# Altium PCB Main PCB.PcbDoc (part 3 of 3)
Units mil, origin at the board's own origin, x right, y up, seen from the top; angles counter-clockwise.
Board outline 3410.47 x 1250.53 mil, 4 copper layers (Top Layer, Ground, Power, Bottom Layer), stack 29.8 mil thick; 179 components, 158 nets, 771 pads, 445 vias.
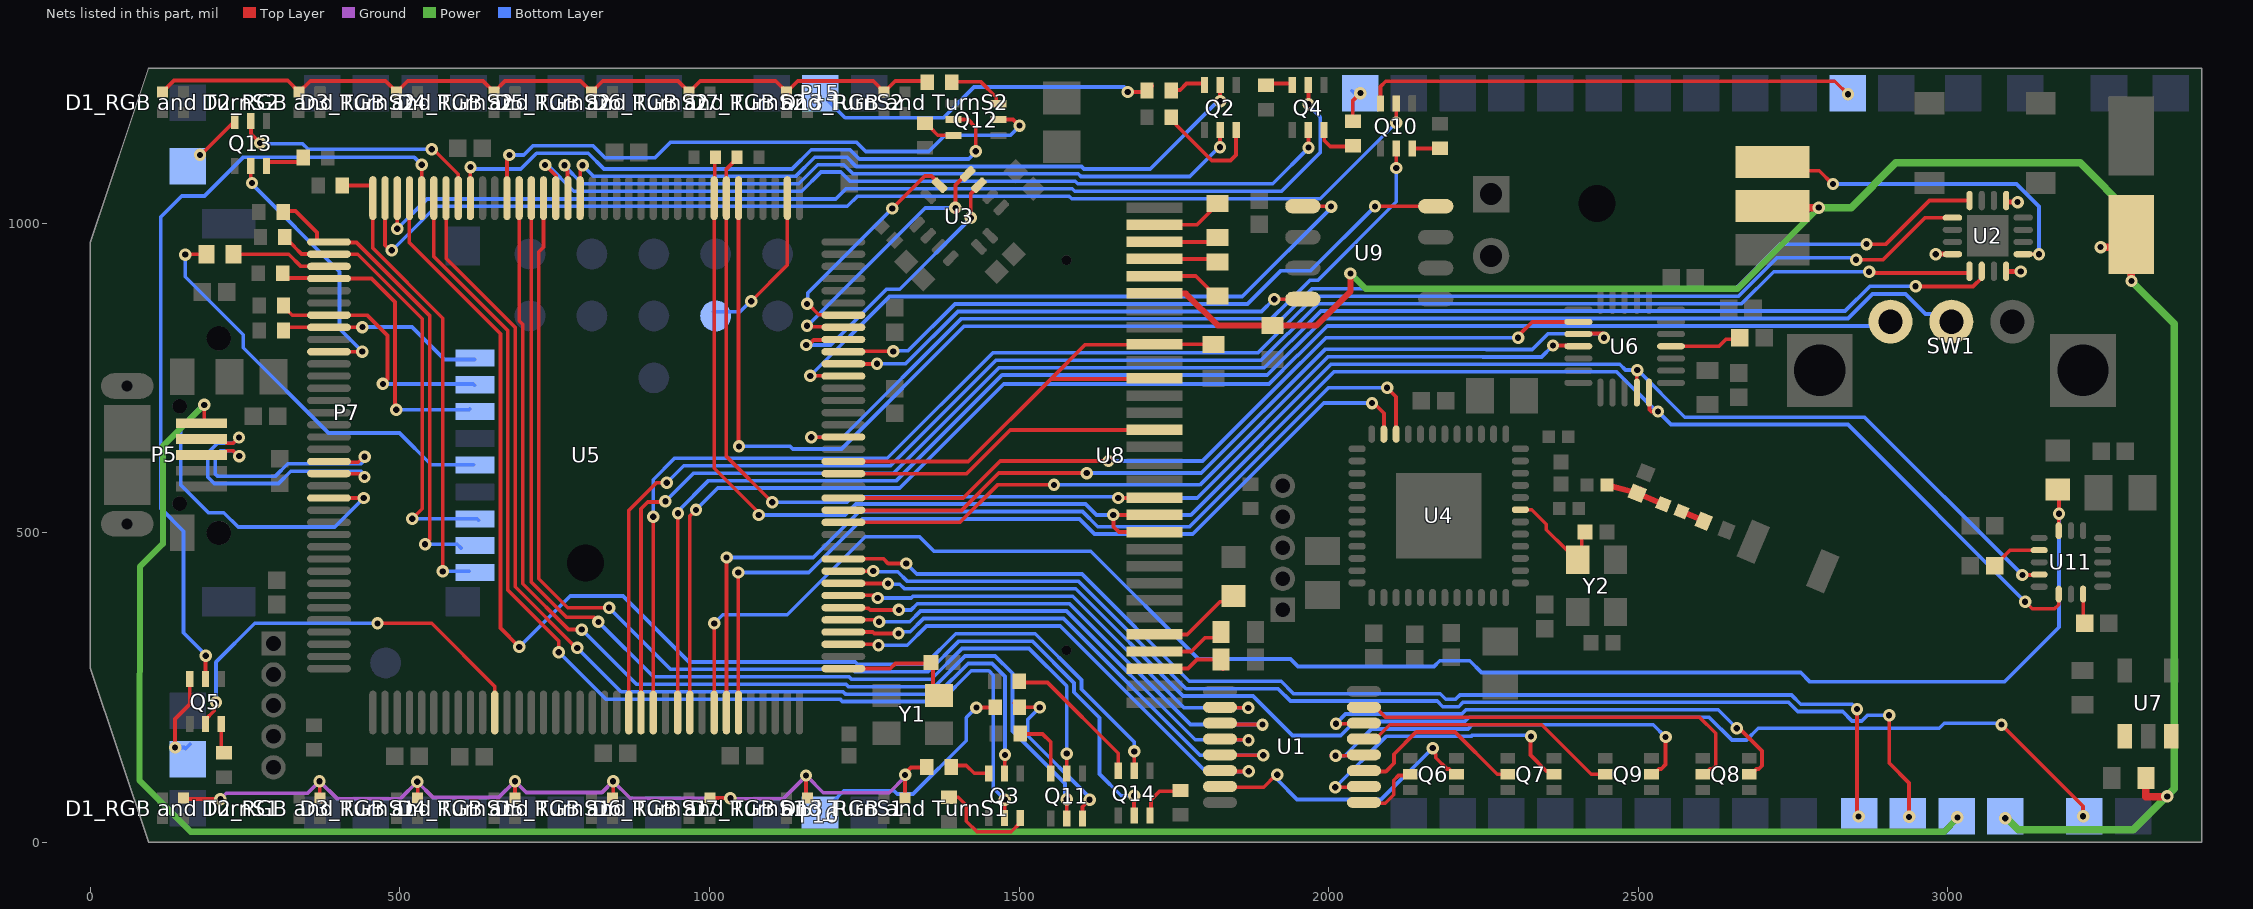
[diagram p5: the nets of this part, all layers, seen from the top]

## Via types
v1: diameter 20, hole 10, Top Layer to Bottom Layer, tented both sides, 442 vias
v2: diameter 20, hole 10, Top Layer to Bottom Layer, 3 vias

## Nets (pads, with @x,y where several pads share a name; then routed paths per layer and width w, separated by ;. In a path a pad name is that pad's centre, name@x,y a point inside that pad or via, vN(x,y) a via of type N, cw(c..) or ccw(c..) an arc to the next point about the centre after c; other vN are vias at no path point) (continued)
NetC8_2: C8.2 C10.1 L1.2 | length 101.5
  Top Layer w6: C8.2@2498,564 2496.23,564.48 2497.91,563.78 C8.2@2498.36,563.57
  Top Layer w8.2: C8.2@2503.3,567.2 C8.2@2503.3,570.6
  Top Layer w9.7: L1.2@2449.61,577.18 C8.2@2496.23,564.48 ; C8.2@2498.36,563.57 C10.1@2540.4,545.9
NetC10_2: C10.2 R4.1 | length 40.5
  Top Layer w6: R4.1@2604,519 2604.81,518.87 2605.8,518.7 2605.89,518.69 R4.1@2606.3,518.5
  Top Layer w9.7: C10.2@2569.6,534.1 R4.1@2605,520
NetC33_2: C33.2 U6.16 | length 120.7
  Top Layer w6: U6.16@2552.73,800.99 2630.11,800.99 2641.39,812.27 2662.19,812.27 2664.89,812.27 C33.2@2662.19,814.97
NetC37_1: C37.1 U8.3 | length 113.1
  Top Layer w6: U8.3@1718.43,969.48 1814.27,969.48 1824.76,979.97 C37.1@1824.76,982.42
NetC37_2: C37.2 U8.2 | length 113.3
  Top Layer w6: U8.2@1718.43,997.04 1787.2,997.04 1818.37,1028.21 C37.2@1818.8,1028.21
NetC38_1: C38.1 U8.5 | length 125.7
  Top Layer w6: U8.5@1718.43,914.37 1785.42,914.37 C38.1@1812.22,887.56 ; C38.1@1810.75,886.5 C38.1@1816.22,886.5 ; C38.1@1810.75,887.56 C38.1@1812.22,887.56 ; C38.1@1812.98,886.81 C38.1@1812.22,887.56 ; C38.1@1815.43,887.56 C38.1@1812.22,887.56 ; C38.1@1816.55,881.44 C38.1@1821.27,881.44 ; C38.1@1818.14,884.58 C38.1@1821.27,881.44 ; C38.1@1821.58,881.13 C38.1@1821.27,881.44
NetC38_2: C38.2 U8.4 | length 99.2
  Top Layer w6: U8.4@1718.43,941.92 1814.32,941.92 C38.2@1816.63,939.62
NetC41_2: C41.2 U8.27 | length 114.2
  Top Layer w6: U8.27@1718.43,308.07 1778.01,308.07 1800.24,330.29 C41.2@1823.45,330.29
NetC43_2: C43.2 U8.28 | length 114.9
  Top Layer w6: U8.28@1718.43,280.51 U8.28@1718.43,280.51 1772.71,280.57 1787.2,295.06 C43.2@1826.26,295.06 ; C43.2@1828.34,280.51 C43.2@1829.09,279.76
NetC51_2: C51.2 U11.8 | length 47.8
  Top Layer w6: U11.8@3218.25,400.79 3218.25,356.26 C51.2@3220.58,353.92
NetC52_2: C52.2 U11.2 | length 82.1
  Top Layer w6: C52.2@3075.53,446.86 3100.32,471.65 U11.2@3147.38,471.65
NetP7_1: P7.1 R7.1 U5.8 | length 330.2
  Top Layer w6: R7.1@309.93,826.66 R7.1@310.41,826.66 ; R7.1@312.82,831.56 U5.8@385.53,831.56 438.98,831.56 v1(439.38,831.96)
  Bottom Layer w6: v1(439.38,831.96) 519.73,831.96 572.14,779.54 P7.1@620.7,779.54
NetP7_2: P7.2 R10.1 U5.7 | length 413.3
  Top Layer w6: R10.1@315.58,862.26 315.58,861.56 326.1,851.04 385.33,851.04 U5.7@385.53,851.24 385.59,851.3 446.9,851.3 480,818.2 480,747.64 v1(472.56,740.19)
  Bottom Layer w6: v1(472.56,740.19) 618.39,740.19 P7.2@620.56,738.02
NetP7_3: P7.3 R8.1 U5.4 | length 495.3
  Top Layer w6: R8.1@310.52,918.95 310.52,918.13 317.4,911.25 384.58,911.25 U5.4@385.53,910.3 454.3,910.3 492,872.6 492,700.61 v1(494.12,698.49)
  Bottom Layer w6: v1(494.12,698.49) 611.63,698.49 P7.3@612.81,699.67
NetP7_5: P7.5 R13.2 | length 674.1
  Top Layer w6: v1(153.4,949.04) 154.03,949.67 R13.2@187.84,949.67
  Bottom Layer w6: v1(153.4,949.04) 153.4,913.32 247.21,819.52 247.21,798.55 384.83,660.92 499.53,660.92 550.82,609.63 P7.5@618.97,609.63
NetP7_7: P7.7 R11.1 U5.2 | length 717.6
  Top Layer w6: R11.1@310.19,976.16 315.25,976.16 329.32,962.09 329.32,961.67 341.1,949.89 385.31,949.89 U5.2@385.53,949.67 431.9,949.67 536,845.57 536,538.42 v1(520.1,522.52)
  Bottom Layer w6: v1(520.1,522.52) 624.62,522.52 P7.7@626.98,520.16
NetP7_8: P7.8 R9.1 U5.1 | length 751.4
  Top Layer w6: R9.1@315.25,1019.51 331.49,1019.51 366.22,984.78 366.22,973.88 361.69,969.35 U5.1@385.53,969.35 386.31,968.57 429.97,968.57 548,850.54 548,488.41 v1(540.77,481.18)
  Bottom Layer w6: v1(540.77,481.18) 592.63,481.18 598.65,475.17 P7.8@598.65,474.7
NetP7_9: P7.9 R12.1 U5.144 | length 761.4
  Top Layer w6: R12.1@407.24,1060.53 456.4,1060.53 U5.144@456.4,1040.22 456.4,959.11 569.11,846.39 v1(569.11,437.49)
  Bottom Layer w6: v1(569.11,437.49) P7.9@611.63,437.49
NetP17_1: P17.1 Q5.6 | length 148.1
  Top Layer w6: v1(136.96,153) 136.96,199.15 160.43,222.63 Q5.6@160.43,263.44
  Bottom Layer w6: v1(136.96,153) 151.96,153 153.96,151 P17.1@161.09,158.13
NetP21_1: P21.1 Q13.6 | length 78.8
  Top Layer w6: v1(177.22,1110) 178.48,1110 Q13.6@233.33,1164.85
NetQ2_2: Q2.2 U5.128 | length 1201.6
  Top Layer w6: v1(765.75,1093.29) 765.75,1089.5 770.6,1084.65 770.6,1040.98 U5.128@771.36,1040.22 ; v1(1824.31,1122.33) 1824.49,1122.5 Q2.2@1824.49,1154.7
  Bottom Layer w6: v1(765.75,1093.29) 765.75,1092.15 794.55,1063.35 1144.04,1063.35 1174.96,1094.28 1216.92,1094.28 1231.79,1079.41 1595.64,1079.41 1599.74,1075.31 1775.61,1075.31 1821.61,1121.31 v1@1826.72,1121.31
NetQ2_3: Q2.3 R16.1 | length 176.3
  Top Layer w6: R16.1@1748.8,1163.17 1749.91,1163.17 1753.57,1159.51 1753.57,1158.4 1811.01,1100.96 1841.24,1100.96 1850.08,1109.8 Q2.3@1850.08,1154.7
NetQ2_5: Q2.5 U5.127 | length 1192.9
  Top Layer w6: U5.127@791.04,1040.22 791.04,1088.89 v1@796.04,1093.88 ; Q2.5@1824.49,1227.15 1824.49,1196.77 v1(1824.69,1196.57)
  Bottom Layer w6: v1(795.01,1093.43) 813.09,1075.35 1139.07,1075.35 1169.99,1106.28 1221.9,1106.28 1236.76,1091.41 1600.61,1091.41 1604.71,1087.31 1711.58,1087.31 v1@1826,1201.72
NetQ2_6: Q2.6 R18.1 | length 57.8
  Top Layer w6: R18.1@1746.53,1214.99 1760.06,1214.99 1770.31,1225.24 Q2.6@1800.12,1225.24
NetQ3_2: Q3.2 U5.139 | length 1813.7
  Top Layer w6: U5.139@554.82,1040.22 554.65,1040.05 554.65,946.03 674.36,826.32 674.36,407.34 756.59,325.11 v1(756.59,306.94) ; Q3.2@1476.43,38.85 1476.85,39.27 v1(1476.85,68.92)
  Bottom Layer w6: v1(756.59,306.94) 756.73,306.94 832.49,231.18 1210.56,231.18 1214.5,227.24 1373.07,227.24 1422.66,276.84 1451.16,276.84 1458.16,269.84 1458.16,87.61 1476.63,69.15 v1@1476.63,69.04
NetQ3_3: Q3.3 R31.1 | length 167.1
  Top Layer w6: R31.1@1386.58,72.8 1401.86,72.8 1414.77,59.89 1414.77,33.93 1431.84,16.86 1487.12,16.86 1502.03,31.77 Q3.3@1502.03,38.85
NetQ3_5: Q3.5 U5.138 | length 1727.1
  Top Layer w6: U5.138@574.51,1040.22 574.9,1039.83 574.9,942.75 686.36,831.29 686.36,412.47 784.9,313.93 v1(786.51,313.93) ; Q3.5@1475.52,116.63 1476.8,117.91 1476.8,140.8 v1(1477.16,141.17) v1@1477.16,131.77
  Bottom Layer w6: v1(786.51,313.93) 857.26,243.18 1215.53,243.18 1219.47,239.24 1368.1,239.24 1417.69,288.84 1456.13,288.84 1477.16,267.81 v1(1477.16,141.17)
NetQ3_6: Q3.6 R32.1 | length 70.1
  Top Layer w6: R32.1@1385.96,123.99 1414.77,123.99 1427.47,111.29 Q3.6@1450.84,111.29
NetQ4_2: Q4.2 U5.142 | length 1740.8
  Top Layer w6: v1(495.72,990.86) U5.142@495.72,1048.15 ; U5.142@495.71,1048.17 495.71,1064.94 U5.142@496.48,1064.17 ; v1(1967.32,1191.94) Q4.2@1967.32,1225.37
  Bottom Layer w6: v1(495.72,990.86) 543.78,1038.92 1203.96,1038.92 1220.46,1055.41 1585.7,1055.41 1589.8,1051.31 1923.75,1051.31 1986.32,1113.88 1986.32,1171.02 v1@1965.05,1192.29
NetQ4_3: Q4.3 R20.1 | length 45.9
  Top Layer w6: R20.1@1897.05,1222.48 1899.94,1225.37 Q4.3@1941.73,1225.37
NetQ4_5: Q4.5 U5.129 | length 1400.7
  Top Layer w6: v1(734.58,1093.77) 751.98,1076.37 U5.129@751.98,1028.91 ; v1(1967.32,1121.75) Q4.5@1967.32,1152.92
  Bottom Layer w6: v1(734.58,1093.77) 738.4,1093.77 780.82,1051.35 1149.01,1051.35 1179.93,1082.28 1211.95,1082.28 1226.82,1067.41 1590.67,1067.41 1594.77,1063.31 1909.49,1063.31 v1@1969.11,1122.93
NetQ4_6: Q4.6 R22.1 | length 71.3
  Top Layer w6: Q4.6@1992.92,1152.92 1992.92,1133.11 2002.46,1123.56 R22.1@2040.48,1123.56
NetQ5_2: Q5.2 U5.47 | length 642.2
  Top Layer w6: Q5.2@186.02,197.03 186.02,198.09 200.32,212.39 200.32,223.29 v1(203,225.97) ; v1(463.76,353.5) 551.38,353.5 653.12,251.76 653.12,231.17 U5.47@654.92,229.37
  Bottom Layer w6: v1(203,225.97) 203,290.92 265.58,353.5 v1(463.76,353.5)
NetQ5_3: Q5.3 R33.1 | length 54.1
  Top Layer w6: Q5.3@211.61,191 211.61,139.21 R33.1@213.22,137.6
NetQ5_5: Q5.5 U5.140 | length 1308.5
  Top Layer w6: Q5.5@186.02,263.44 v1@186.02,300.9 ; v1(535.34,1094.08) 535.24,1093.98 535.24,1029.54 U5.140@536.38,1028.39
  Bottom Layer w6: v1(186.54,301.33) 186.54,302.22 150.41,338.35 150.41,502.42 114.03,538.79 114.03,1010.16 147.6,1043.73 184.31,1043.73 246.58,1106 523.41,1106 v1(535.34,1094.08)
NetQ6_2: Q6.2 U1.1 | length 102.7
  Top Layer w6: U1.1@2056.78,63.17 2091.2,63.17 2104.91,76.89 2104.91,100.2 2112.53,107.82 Q6.2@2127.28,107.82
NetQ6_5: Q6.5 U1.15 | length 466.9
  Top Layer w6: U1.15@1827.23,88.4 1827.86,89.03 1894.87,89.03 1894.94,88.96 1915.02,109.04 v1(1916.71,109.04) ; v1(2168,152) 2168,147 2172.68,142.32 2172.68,136.45 2190.83,118.3 2194.5,118.3 2202.82,109.98 Q6.5@2206.37,109.98
  Bottom Layer w6: v1(1916.71,109.04) 1916.71,101.29 1948.85,69.15 2084.58,69.15 2167.43,152 v1(2168,152)
NetQ7_2: Q7.2 U1.3 | length 275.3
  Top Layer w6: U1.3@2076.86,114.36 2092.25,114.36 2105.34,127.45 2105.34,142.15 2141.13,177.94 2204.07,177.94 2272.04,109.98 Q7.2@2289.04,109.98
NetQ7_5: Q7.5 U1.2 | length 479
  Top Layer w6: v1@2010.36,88.69 v1(2010.64,88.98) ; v1@2011.22,88.69 2011.4,88.87 2056.67,88.87 U1.2@2056.78,88.76 ; v1(2326.67,170.94) 2325.89,170.16 2325.89,140.71 2351.36,115.24 2358.58,115.24 Q7.5@2363.85,109.98
  Bottom Layer w6: v1(2010.64,88.98) 2092.67,171 2229.72,171 2231.72,173 2324.62,173 v1(2326.67,170.94)
NetQ8_2: Q8.2 U1.7 | length 665
  Top Layer w6: U1.7@2055.55,216.72 2076.74,216.72 2091.52,201.94 2598.93,201.94 2624.82,176.05 2624.82,123.57 2619.54,118.3 2615.87,118.3 2607.55,109.98 Q8.2@2604.01,109.98
NetQ8_5: Q8.5 U1.6 | length 819.7
  Top Layer w6: v1@2014.04,190.67 2014.66,191.29 2056.62,191.29 U1.6@2056.78,191.13 ; v1@2658,185 2661.68,181.32 2665.86,181.32 2699.62,147.56 2699.62,123.57 2694.35,118.3 2690.67,118.3 2682.35,109.98 Q8.5@2678.81,109.98
  Bottom Layer w6: v1(2011.65,191.45) 2027.21,207 2214.81,207 2221.75,213.94 2629.06,213.94 v1(2659,184)
NetQ9_2: Q9.2 U1.5 | length 429.9
  Top Layer w6: U1.5@2059.86,165.54 2074.22,165.54 2098.62,189.94 2344.07,189.94 2424.04,109.98 Q9.2@2446.52,109.98
NetQ9_5: Q9.5 U1.4 | length 688.5
  Top Layer w6: v1@2004.02,139.95 2004.18,139.78 v1(2011.08,139.78) ; v1@2011.22,140.35 2011.71,139.86 2056.7,139.86 U1.4@2056.78,139.95 ; Q9.5@2521.33,109.98 2524.87,109.98 2533.19,118.3 2536.87,118.3 2544,125.43 v1(2544,170)
  Bottom Layer w6: v1(2011.08,139.78) 2025.78,139.78 2069,183 2224.75,183 2231.69,189.94 2524.06,189.94 v1(2544,170)
NetQ10_2: Q10.2 U5.92 | length 1246
  Top Layer w6: v1(1164.18,654.13) 1218.7,654.13 1218.96,654.39 U5.92@1216.24,654.39 ; v1(2109.14,1088.8) Q10.2@2109.14,1120.34
  Bottom Layer w6: v1(1164.18,654.13) 1215.07,654.13 1406.17,845.23 1906.73,845.23 1919.49,857.99 1920,857.99 1969.39,907.38 1982.1,907.38 2109.14,1034.42 v1(2109.14,1088.8)
NetQ10_3: Q10.3 R21.1 | length 42.9
  Top Layer w6: Q10.3@2134.73,1120.34 R21.1@2177.57,1120.34
NetQ10_5: Q10.5 U5.143 | length 1851.7
  Top Layer w6: U5.143@476.11,1058.56 U5.143@476.71,1057.97 ; U5.143@477.12,1057.56 U5.143@476.71,1057.97 ; v1(486.85,956.11) 483.74,956.11 475.84,964.01 475.84,1054.88 476.71,1055.75 U5.143@476.71,1057.97 ; v1(2108.86,1161.88) 2109.14,1162.15 Q10.5@2109.14,1192.78
  Bottom Layer w6: v1(486.85,956.11) 487.84,956.11 558.65,1026.92 1222.54,1026.92 1239.03,1043.41 1580.73,1043.41 1584.83,1039.31 1986.3,1039.31 v1(2108.86,1161.88)
NetQ11_2: Q11.2 U5.132 | length 1785.6
  Top Layer w6: U5.132@692.62,1040.22 692.62,842 698.36,836.26 698.36,417.44 772.34,343.46 v1(793.75,343.46) ; Q11.2@1576.88,38.65 v1(1576.88,69.55)
  Bottom Layer w6: v1(793.75,343.46) 882.03,255.18 1220.5,255.18 1224.44,251.24 1363.13,251.24 1412.72,300.84 1461.1,300.84 1489.16,272.78 1489.16,179.84 1574,95 1574,74.63 v1@1577.12,71.51
NetQ11_3: Q11.3 R25.1 | length 277.1
  Top Layer w6: R25.1@1492.61,225.01 1499.79,217.82 v1(1533.46,217.82) ; Q11.3@1602.47,38.65 1602.47,57.24 v1(1613.85,68.62)
  Bottom Layer w6: v1(1533.46,217.82) 1514,198.36 1514,171.97 1613.85,72.12 v1(1613.85,68.62)
NetQ11_5: Q11.5 U5.131 | length 1734.6
  Top Layer w6: U5.131@712.3,1040.22 712.3,420.47 769.59,363.18 813.33,363.18 v1(820.62,355.9) ; v1@1576.83,141.59 Q11.5@1576.88,111.09 Q11.5@1576.88,111.09
  Bottom Layer w6: v1(820.62,355.9) 909.34,267.18 1225.47,267.18 1229.41,263.24 1358.16,263.24 1407.75,312.84 1516.09,312.84 1576.78,252.15 v1(1576.78,143.14)
NetQ11_6: Q11.6 R27.1 | length 116.9
  Top Layer w6: R27.1@1499.94,168.78 R27.1@1505.17,174.01 ; R27.1@1500.14,174.13 R27.1@1505.17,174.13 ; R27.1@1505.88,174.8 1537.91,174.8 1550.9,161.81 Q11.6@1550.9,107.73
NetQ12_2: Q12.2 U5.136 | length 988.1
  Top Layer w6: U5.136@613.47,1047.75 613.67,1047.96 613.67,1087.72 613.95,1087.99 v1(613.95,1090.37) ; Q12.2@1394.19,1167.05 1417.33,1167.05 1430.09,1154.29 v1(1430.09,1115.99)
  Bottom Layer w6: v1(613.95,1090.37) 613.95,1087.86 613.59,1087.51 616.15,1084.95 v1@616.15,1087.86 ; v1@616.15,1092.87 621.79,1087.23 695.26,1087.23 720.8,1112.77 804.12,1112.77 829.54,1087.35 1133.25,1087.35 1164.18,1118.28 1226.87,1118.28 1241.7,1103.44 1418.52,1103.44 v1@1426.67,1111.59
NetQ12_3: Q12.3 R28.1 | length 41.6
  Top Layer w6: R28.1@1343.98,1163.12 R28.1@1345.84,1163.12 ; R28.1@1347.44,1164.22 R28.1@1348.21,1164.99 ; R28.1@1353.87,1156.65 1354.39,1156.65 1358,1153.04 1358,1152.52 1368.73,1141.8 Q12.3@1386.03,1141.8
NetQ12_5: Q12.5 U5.133 | length 980.8
  Top Layer w6: U5.133@672.93,1040.22 672.93,1106.28 676.45,1109.8 v1(676.91,1109.8) ; Q12.5@1466.63,1167.05 1490.15,1167.05 1500.57,1156.62 v1@1503.19,1156.62
  Bottom Layer w6: v1(676.91,1109.8) 699.96,1109.8 714.94,1124.77 811.7,1124.77 831.19,1105.28 912.03,1105.28 937.02,1130.28 1237.36,1130.28 1252.19,1115.44 1354.05,1115.44 1380.32,1141.71 1485.97,1141.71 1496.26,1152 v1@1499.46,1152
  other v1: 1500.66,1157.38
NetQ12_6: Q12.6 R29.1 | length 111.9
  Top Layer w6: R29.1@1398.39,1223.63 1398.39,1220.56 1396.85,1222.1 1390.6,1228.35 1437.82,1228.35 1463.21,1202.96 1463.21,1192.64 Q12.6@1463.21,1191.56 ; Q12.6@1466.06,1189.32 1466.06,1191.56 Q12.6@1466.06,1192.64
NetQ13_2: Q13.2 U5.10 | length 413.6
  Top Layer w6: Q13.2@259.48,1086.87 259.09,1086.48 259.09,1064.87 259.27,1064.69 v1(261.14,1064.69) ; U5.10@396.48,792.93 397.13,792.28 439.26,792.28 v1(439.36,792.38)
  Bottom Layer w6: v1(261.14,1064.69) 261.14,1062.82 402.56,921.4 402.56,829.18 v1(439.36,792.38)
NetQ13_3: Q13.3 R30.1 | length 68.5
  Top Layer w6: Q13.3@284.51,1092.41 284.51,1095.53 287.41,1098.44 R30.1@348.65,1098.44
NetQ13_5: Q13.5 U5.137 | length 414.9
  Top Layer w6: Q13.5@259.5,1158.62 259.5,1144.04 v1(274.33,1129.21) ; v1(551.31,1119.04) 553.93,1119.04 594.19,1078.78 U5.137@594.19,1040.22
  Bottom Layer w6: v1(274.33,1129.21) 275.53,1128.01 342.9,1128.01 351.87,1119.04 v1(551.31,1119.04)
NetQ14_2: Q14.2 U5.141 | length 2019.6
  Top Layer w6: U5.141@515.45,1040.22 515.16,1039.93 515.16,968.55 662.36,821.35 662.36,346.04 v1(692.9,315.5) ; Q14.2@1685.89,115.46 1685.89,146.69 v1(1685.94,146.75)
  Bottom Layer w6: v1(692.9,315.5) 775.1,397.7 860.44,397.7 966.96,291.18 1235.41,291.18 1239.35,287.24 1348.21,287.24 1397.81,336.84 1526.03,336.84 1600.78,262.09 1600.78,247.19 1685.94,162.03 v1(1685.94,146.75)
NetQ14_3: Q14.3 R23.1 | length 245.8
  Top Layer w6: R23.1@1494.02,268.05 1504.22,257.84 1545.73,257.84 1659.92,143.66 1659.92,115.84 Q14.3@1660.3,115.46
NetQ14_5: Q14.5 U5.130 | length 1862.4
  Top Layer w6: U5.130@731.99,1040.22 731.99,960.89 724.3,953.2 724.3,425.44 771.04,378.7 v1(837.8,378.7) ; v1(1685.65,74.96) 1685.65,43.26 Q14.5@1685.89,43.02
  Bottom Layer w6: v1(837.8,378.7) 937.32,279.18 1230.44,279.18 1234.38,275.24 1353.18,275.24 1402.78,324.84 1521.06,324.84 1588.78,257.12 1588.78,242.22 1629.85,201.15 1629.85,110.24 1664.87,75.22 v1@1688.52,75.22
NetQ14_6: Q14.6 R24.1 | length 79.5
  Top Layer w6: Q14.6@1711.48,43.02 1712.88,44.42 1712.88,68.77 1726.59,82.47 R24.1@1760.34,82.47
NetR13_1: R13.1 U5.3 | length 162.5
  Top Layer w6: R13.1@231.15,949.67 320.41,949.67 340.1,929.98 U5.3@385.53,929.98
NetR14_2: R14.2 U8.26 | length 148.5
  Top Layer w6: U8.26@1718.43,335.63 1771.34,335.63 1824.24,388.52 1833.8,388.52 R14.2@1833.8,387.6 ; R14.2@1843.31,405.13 1843.31,400.18 R14.2@1848.66,400.18
NetSW1_1: SW1.1 U5.63 | length 2386.3
  Top Layer w6: U5.63@968.21,209.51 968.21,526.8 v1(978.21,536.8)
  Bottom Layer w6: v1(978.21,536.8) 1013.41,572 1307.1,572 1475.29,740.19 1903.51,740.19 1949.32,785.99 1949.82,785.99 1997.61,833.78 2900.12,833.78 SW1.1@2907.18,840.85
NetSW1_2: SW1.2 U5.62 | length 2551.1
  Top Layer w6: U5.62@948.52,209.51 948.73,209.72 948.73,266.48 ; 948.73,266.64 v1@948.73,537.93
  Bottom Layer w6: v1(949.21,531.2) 949.21,534.67 998.54,584 1302.13,584 1472.53,754.41 1900.76,754.41 1944.34,797.99 1944.85,797.99 1992.64,845.78 2838.75,845.78 2878.25,885.28 2931.6,885.28 2963.62,853.26 2993.2,853.26 SW1.2@3005.1,841.36
NetU1_10: U1.10 U5.79 | length 743.8
  Top Layer w6: U5.79@1240.57,399.18 1240.73,399.01 1266.99,399.01 v1(1271.59,394.41) ; U1.10@1833.2,217.1 1833.26,217.04 v1(1869.88,217.04)
  Bottom Layer w6: v1(1271.59,394.41) 1325.87,394.41 1328.75,397.29 1586.48,397.29 1766.73,217.04 v1(1869.88,217.04)
NetU1_11: U1.11 U5.78 | length 829.2
  Top Layer w6: U5.78@1216.24,378.8 1217.35,377.69 1256.96,377.69 1259.41,375.24 ; 1259.47,375.18 1259.41,375.24 ; v1@1302.38,375.41 1302.22,375.24 1259.41,375.24 ; U1.11@1824.5,191.13 1825.55,190.07 v1(1893.12,190.07)
  Bottom Layer w6: v1(1305.78,375.24) 1325.5,375.24 1335.55,385.29 1581.5,385.29 1776.72,190.07 v1(1893.12,190.07)
NetU1_12: U1.12 U5.77 | length 794.5
  Top Layer w6: U5.77@1216.24,359.12 v1@1273.84,359.12 ; U1.12@1824.5,165.54 1869.63,165.54 v1(1870.46,164.71)
  Bottom Layer w6: v1(1273.84,356.24) 1323.47,356.24 1340.52,373.29 1576.53,373.29 1784.37,165.45 v1@1871.25,165.45
NetU1_13: U1.13 U5.76 | length 851
  Top Layer w6: U5.76@1216.24,339.43 1263.78,339.43 1265.97,337.24 1302.99,337.24 v1@1305.18,339.43 ; U1.13@1824.5,139.95 1825.17,140.62 v1(1894.13,140.62)
  Bottom Layer w6: v1(1305.18,337.24) 1307.86,339.92 1324.12,339.92 1345.49,361.29 1571.56,361.29 1792.24,140.62 v1(1894.13,140.62)
NetU1_14: U1.14 U5.75 | length 811.4
  Top Layer w6: U5.75@1216.24,319.75 v1@1272.85,319.75 ; U1.14@1824.5,114.36 1870.57,114.36 v1(1870.75,114.53)
  Bottom Layer w6: v1(1272.85,318.24) 1319.41,318.24 1350.46,349.29 1566.25,349.29 1801.75,113.79 1869.5,113.79 v1@1870.5,114.79
NetU2_1: U2.1 U5.58 | length 2646.7
  Top Layer w6: U5.58@870.54,219.25 869.78,220 869.78,535.99 914.26,580.47 v1(930.93,580.47) ; v1(2872.71,921.48) 2874.78,919.41 3033.06,919.41 3034.83,921.18 U2.1@3034.83,922.09 ; U2.1@3033.14,919.42 U2.1@3034.86,921.14
  Bottom Layer w6: v1(930.93,580.47) 958.46,608 1292.18,608 1462.59,778.41 1890.82,778.41 1934.4,821.99 1934.91,821.99 1982.7,869.78 2666.78,869.78 2718.47,921.48 v1(2872.71,921.48)
NetU2_2: U2.2 U5.59 | length 2663.9
  Top Layer w6: U5.59@889.47,209.51 889.47,538.7 900.26,549.5 911.61,549.5 911.68,549.57 922.08,549.57 v1@924.43,547.22 ; v1@922.48,546.89 924.84,546.89 v1(928.78,550.84) ; v1(2947.7,897.94) 2948.31,897.34 3040.6,897.34 3054.52,911.26 U2.2@3054.52,922.09
  Bottom Layer w6: v1(928.78,550.84) 973.95,596 1297.15,596 1467.56,766.41 1895.79,766.41 1939.37,809.99 1939.88,809.99 1987.67,857.78 2833.78,857.78 2873.94,897.94 v1(2947.7,897.94)
NetU2_12: U2.12 U5.114 | length 2555.6
  Top Layer w6: U5.114@1046.95,1040.22 1046.71,1039.98 1046.71,640.64 v1@1047.31,640.04 ; v1(2868.4,965.93) 2899.84,965.93 2970.17,1036.26 U2.12@3034.83,1036.26
  Bottom Layer w6: v1(1047.67,639.36) 1130.14,639.36 1134.36,635.13 1213.05,635.13 1411.14,833.23 1911.7,833.23 1924.46,845.99 1924.97,845.99 1972.76,893.78 2656.84,893.78 2728.99,965.93 v1(2868.4,965.93)
NetU2_13: U2.13 U5.60 | length 2652.3
  Top Layer w6: U5.60@909.15,209.51 v1(909.13,525.72) ; v1(2851.71,940.59) 2894.95,940.59 2963.06,1008.7 U2.13@3007.28,1008.7
  Bottom Layer w6: v1(909.13,525.72) 909.13,585.54 943.59,620 1287.21,620 1457.62,790.41 1885.85,790.41 1929.43,833.99 1929.94,833.99 1977.73,881.78 2661.81,881.78 2724.03,944 2848.3,944 v1(2851.71,940.59)
NetU3_3: U3.3 U5.100 | length 455.6
  Top Layer w6: v1(1156.36,803.09) 1160.15,803.09 1168.11,811.05 1199.08,811.05 U5.100@1200.52,812.49 ; v1(1422.11,1008.26) 1422.11,1047.68 1432.8,1058.37 U3.3@1435.12,1058.37
  Bottom Layer w6: v1(1156.36,803.09) 1195.68,803.09 1285.81,893.23 1307.08,893.23 v1(1422.11,1008.26)
NetU3_4: U3.4 U5.101 | length 427.8
  Top Layer w6: v1(1157.38,834.16) 1158.88,832.67 1199.35,832.67 U5.101@1199.7,832.32 ; v1(1397.13,1024.41) 1397.13,1061.39 U3.4@1417.79,1082.04
  Bottom Layer w6: v1(1157.38,834.16) 1158.2,834.16 1348.45,1024.41 v1(1397.13,1024.41)
NetU3_5: U3.5 U5.102 | length 355.8
  Top Layer w6: v1(1157.54,869.46) 1158.85,869.46 1176.57,851.74 1195.82,851.74 U5.102@1196.02,851.54 ; v1(1295.01,1023.49) 1347.5,1075.98 1358.33,1075.98 U3.5@1368.12,1066.19
  Bottom Layer w6: v1(1157.54,869.46) 1158.62,870.54 1158.62,887.1 v1(1295.01,1023.49)
NetU4_46: U4.46 U5.66 | length 1508.2
  Top Layer w6: U5.66@1027.51,233.13 1027.45,233.19 1027.45,459.71 v1(1027.63,459.89) ; v1(2094.3,733.89) 2108.76,719.43 U4.46@2108.76,659.05
  Bottom Layer w6: v1(1027.63,459.89) 1167.4,459.89 1241.67,534.16 1602.34,534.16 1626.84,509.66 1775.31,509.66 1999.54,733.89 v1(2094.3,733.89)
NetU4_47: U4.47 U5.67 | length 1426.9
  Top Layer w6: U5.67@1044.71,228.28 1047.06,230.62 1046.66,231.03 1045.84,231.88 1047.67,233.71 1046.54,234.84 v1(1046.54,435.73) ; v1(2069.94,709.27) 2072.71,709.27 2089.07,692.91 U4.47@2089.07,659.05
  Bottom Layer w6: v1(1046.54,435.73) 1160.2,435.73 1246.64,522.16 1597.37,522.16 1621.87,497.66 1780.29,497.66 1991.89,709.27 v1(2069.94,709.27)
NetU5_85: U5.85 U6.4 | length 1330.2
  Top Layer w6: U5.85@1190.51,516.81 1404.64,516.81 1464.98,577.16 v1(1556.39,577.16) ; v1(2362.1,802.21) 2402,802.21 U6.4@2403.47,800.74
  Bottom Layer w6: v1(1556.39,577.16) 1791.9,577.16 1998.72,783.98 2249.06,783.98 2249.26,783.78 2343.68,783.78 v1@2360.87,800.97
NetU5_86: U5.86 U6.3 | length 1363.5
  Top Layer w6: U5.86@1241.42,535.93 1406.78,535.93 1467.05,596.19 v1(1609.22,596.19) ; U6.3@2403.12,820.67 2403.86,821.41 2424.29,821.41 2424.49,821.6 v1@2442.13,821.6
  Bottom Layer w6: v1(1609.22,596.19) 1793.96,596.19 1993.75,795.98 2254.03,795.98 2254.23,795.78 2328.81,795.78 2354.23,821.21 2438.15,821.21 v1(2444.57,814.78)
NetU5_87: U5.87 U6.2 | length 1328
  Top Layer w6: U5.87@1193.8,556.28 1194.12,555.97 U5.87@1216.24,555.97 1409.85,555.97 1469.59,615.71 v1(1644.35,615.71) ; v1(2305.8,814.78) 2305.8,817.53 2317.86,829.59 2317.98,829.59 2328.65,840.26 U6.2@2396.76,840.26
  Bottom Layer w6: v1(1644.35,615.71) 1796,615.71 1954.29,773.99 1954.79,773.99 1995.58,814.78 v1(2305.8,814.78) 2310.44,814.78 v1@2311.07,814.16
NetU5_89: U5.89 U8.14 | length 515.3
  Top Layer w6: U5.89@1216.24,595.34 1415.28,595.34 1485.6,665.66 U8.14@1702.37,665.66
NetU5_97: U5.97 U9.1 | length 1062.5
  Top Layer w6: v1(1162.77,753.21) U5.97@1222.75,753.21 ; U9.1@1958.22,1027.28 2003,1027.28 v1(2003.83,1026.46)
  Bottom Layer w6: v1(1162.77,753.21) 1290.78,881.23 1860.49,881.23 v1@2006.06,1026.8
NetU5_98: U5.98 U9.4 | length 778.3
  Top Layer w6: U5.98@1216.24,772.5 1270.24,772.5 v1(1270.5,772.76) ; v1(1912.13,876.99) 1912.27,877.14 1950.53,877.14 U9.4@1951.01,876.66
  Bottom Layer w6: v1(1270.5,772.76) 1316.73,772.76 1401.2,857.23 1891.53,857.23 1911.29,876.99 v1(1912.13,876.99)
NetU5_99: U5.99 U9.8 | length 1044.7
  Top Layer w6: U5.99@1216.24,792.19 1215.71,792.72 v1(1296.6,792.72) ; v1(2074.74,1026.9) 2157.66,1026.9 U9.8@2157.74,1026.81
  Bottom Layer w6: v1(1296.6,792.72) 1294.18,792.72 1295.39,793.93 1320.93,793.93 1396.23,869.23 1868.98,869.23 1922.88,923.12 1970.97,923.12 v1(2074.74,1026.9)
OLED_3V3: C40.2 U5.90 U8.9 U8.11 | length 842.9
  Top Layer w6: U5.90@1216.24,615.02 1417.99,615.02 1551.29,748.31 1606.52,803.55 U8.9@1719.61,803.55 ; 1551.6,748 1717.42,748 U8.11@1718.43,749.01 ; U8.9@1718.43,804.13 C40.2@1812.62,804.13
RED1: P15.2 R18.2 | length 562.7
  Top Layer w6: v1(1675.49,1211.63) 1704.79,1211.63 R18.2@1714.52,1221.36
  Bottom Layer w6: P15.2@1191.76,1197.06 1192.08,1197.06 1219.01,1170.13 1377.72,1170.13 1427.1,1219.5 1669.25,1219.5 v1@1676.73,1212.03
RED2: P16.2 R25.2 | length 346.6
  Top Layer w6: v1(1430.98,217.53) 1453.43,217.53 R25.2@1456.14,220.24
  Bottom Layer w6: P16.2@1199.79,65.91 1216.94,83.07 1297.73,83.07 1303.01,77.8 1328.69,77.8 1414.71,163.83 1414.71,201.26 v1(1430.98,217.53)
RED3: "D1_RGB and TurnS2.2" "D2_RGB and TurnS2.2" "D3_RGB and TurnS2.2" "D4_RGB and TurnS2.2" "D5_RGB and TurnS2.2" "D6_RGB and TurnS2.2" "D7_RGB and TurnS2.2" "D13_RGB and TurnS2.2" R29.2 | length 1351.3
  Top Layer w6: 116.8,1211.61 135.3,1230.11 318.77,1230.11 337.27,1211.61 355.13,1229.46 476.89,1229.46 494.75,1211.61 512.61,1229.46 634.38,1229.46 652.23,1211.61 652.23,1212.14 669.55,1229.46 791.86,1229.46 809.71,1211.61 827.57,1229.46 949.34,1229.46 967.19,1211.61 985.05,1229.46 1106.82,1229.46 1124.67,1211.61 1142.53,1229.46 1264.3,1229.46 1282.15,1211.61 1300.01,1229.46 1348.44,1229.46 R29.2@1353.97,1234.99
RED4: "D1_RGB and TurnS1.2" "D2_RGB and TurnS1.2" "D3_RGB and TurnS1.2" "D4_RGB and TurnS1.2" "D5_RGB and TurnS1.2" "D6_RGB and TurnS1.2" "D7_RGB and TurnS1.2" "D13_RGB and TurnS1.2" R32.2 | length 1544.7
  Top Layer w6: 150.26,71.61 150.26,69.71 v1(210.19,69.71) ; v1(370.12,98.67) 370.74,98.05 370.74,71.61 ; v1(528.14,97.6) 528.64,97.1 528.64,72.03 528.22,71.61 ; 685.7,71.61 685.88,71.8 v1(685.88,98.66) ; 843.18,71.61 844.02,72.45 843.44,73.04 844.36,73.97 v1(844.36,98.62) ; 1000.66,71.61 1025.95,71.61 1026.56,71 v1(1033.76,71) ; v1(1155.83,107.8) 1155.68,107.64 1155.68,74.07 1158.14,71.61 ; v1@1315.55,111.23 1325.19,120.88 1348.25,120.88 R32.2@1349.35,121.98 ; 1315.62,71.61 1315.69,71.68 1315.69,96.08 ; 1315.72,96.08 1315.72,98.53
  Ground w6: v1(210.19,69.71) 219.71,79.23 350.67,79.23 v1(370.12,98.67) 398.3,70.49 501.02,70.49 v1(528.14,97.6) 553.52,72.22 659.44,72.22 v1(685.88,98.66) 704.09,80.46 826.2,80.46 v1(844.36,98.62) 871.98,71 v1@1029.03,71 ; v1(1033.76,71) v1@1029.03,71 ; v1(1155.83,107.8) 1155.98,107.8 v1@1157.77,106.01 ; v1@1160.71,106.01 v1@1157.77,106.01 ; v1(1315.85,108.8) 1315.85,105.7 1290.25,80.11 1183.67,80.11 v1@1157.77,106.01 ; v1@1029.03,71 1029.55,70.49 1119.6,70.49 1155.13,106.01 v1@1157.77,106.01
RED5: P26.1 R22.2 | length 66
  Top Layer w6: R22.2@2039.15,1164.27 2038.98,1164.44 2038.98,1197.79 v1(2051.06,1209.87)
  Bottom Layer w6: P26.1@2037.36,1213.7 2041.19,1209.87 v1(2051.06,1209.87)
REV_LIGHT: P28.1 Q10.6 | length 795.1
  Top Layer w6: Q10.6@2083.55,1192.78 2083.55,1220.5 2092.18,1229.14 2817.27,1229.14 v1(2838.55,1207.85)
RST: R3.1 U5.65 U11.16 | length 2770.1
  Top Layer w6: U5.65@1007.58,209.51 1007.58,353.86 1007.66,353.78 v1(1007.66,353.5) ; R3.1@3177.53,569.59 3179.3,567.82 v1(3179.3,530.64) ; v1@3178.6,534.84 3178.81,534.64 3178.81,503.22 U11.16@3178.88,503.15
  Bottom Layer w6: v1(1007.66,353.5) 1021.47,367.3 1125.72,367.3 1251.67,493.25 1339.31,493.25 1362.56,470 1615.59,470 1789.56,296.03 1938.12,296.03 1950.16,284 2170.19,284 2179.19,293 2227.55,293 2246.55,274 2762.16,274 2777.16,259 3090.97,259 3179.3,347.33 v1(3179.3,530.64)
SCL: R17.1 U5.115 U6.11 U8.18 U11.4 | length 2965.9
  Top Layer w6: R17.1@1042.09,1101.18 1041.19,1101.18 1027.26,1087.26 U5.115@1027.26,1040.22 1027.26,623.06 v1(1101.3,549.03) ; v1(1660.23,555.99) 1660.35,556.1 U8.18@1718.43,556.1 ; U6.11@2497.61,726.18 v1@2497.61,763.51 ; v1(3120.2,431.61) 3140.29,431.61 3140.96,432.28 U11.4@3147.38,432.28
  Bottom Layer w6: v1(1101.3,549.03) 1222.59,549.03 1231.73,558.16 1658.06,558.16 v1(1660.23,555.99) 1787.7,555.99 2003.69,771.98 2244.09,771.98 2244.29,771.78 2469.89,771.78 2479.16,762.51 v1(2498.25,762.51) ; v1@2498.94,762.65 2575.09,686.5 2865.32,686.5 v1(3120.2,431.61)
SCLK: TP1.1 U5.110 | length 258.4
  Top Layer w6: v1(1067.38,873.8) 1125.69,932.1 U5.110@1125.69,1040.22
  Bottom Layer w6: TP1.1@1006.58,856.73 1049.3,856.73 1066.37,873.8 v1(1067.38,873.8)
SDA: R19.1 U5.116 U6.12 U8.19 U8.20 U11.6 | length 3180.5
  Top Layer w6: R19.1@1009.48,1104.32 1008.69,1103.54 1008.69,1041.33 U5.116@1007.58,1040.22 1007.58,604.14 1079.55,532.17 v1(1079.55,528.55) ; R19.1@1010.05,1106.2 R19.1@1011.95,1108.1 ; v1(1652.12,528.66) 1652.53,528.25 1652.53,509.66 1661.22,500.98 U8.20@1718.43,500.98 U8.20@1716.86,499.41 ; v1@1661.22,528.54 U8.19@1718.43,528.54 ; U6.12@2517.17,718.29 2518.03,717.42 2518.03,698.39 2520.85,695.56 v1(2531.65,695.56) ; v1(3124.56,388.54) 3136.18,376.92 3172.22,376.92 3178.88,383.58 U11.6@3178.88,400.79
  Bottom Layer w6: v1(1079.55,528.55) 1219.08,528.55 1236.7,546.16 1607.31,546.16 1624.81,528.66 v1(1652.12,528.66) 1777.34,528.66 2008.66,759.98 2236.44,759.98 2236.64,759.78 2464.92,759.78 2529.14,695.56 v1(2531.65,695.56) 2552.71,674.5 2838.6,674.5 v1(3124.56,388.54)
SERVO_OUT: P9.1 U2.5 | length 517.8
  Top Layer w6: P9.1@2761.31,1084.43 2792.04,1084.43 2813.49,1062.98 v1(2814.39,1062.98) ; U2.5@3121.45,949.65 v1(3147.04,949.65) v1@3152.64,949.65
  Bottom Layer w6: v1(2814.39,1062.98) 3110.64,1062.98 3147.04,1026.58 v1(3147.04,949.65)
SW1: P8.1 U5.80 | length 2217.8
  Top Layer w6: U5.80@1216.24,418.17 1216.37,418.04 1293.73,418.04 v1@1294.37,418.69 ; v1(3086.42,189.94) 3218.21,58.16 v1(3218.21,42.14)
  Bottom Layer w6: v1(1288.29,417.75) 1289.34,416.7 1307.29,416.7 1314.7,409.29 1591.45,409.29 1764.7,236.04 1877.75,236.04 1941.34,172.45 2019.52,172.45 2042.08,195 2219.78,195 2226.72,201.94 2614.19,201.94 2651.13,165 2674.55,165 2693.55,184 2985.87,184 2994,192.13 v1@3084.86,192.13
UI_ENC_SIGA: P18.1 U5.81 | length 1975.9
  Top Layer w6: U5.81@1216.24,437.86 1264.13,437.86 v1(1264.31,438.04) ; v1(2905,205) 2905,127.96 2937.16,95.8 v1(2937.16,40.99)
  Bottom Layer w6: v1(1264.31,438.04) 1265.44,436.91 1304.06,436.91 1319.67,421.29 1596.42,421.29 1769.67,248.04 1918.24,248.04 1938.28,228 2175.16,228 2184.16,219 2209.84,219 2216.78,225.94 2742.34,225.94 2757.28,211 2830.13,211 2845.13,196 2860.87,196 2869.87,205 v1(2905,205)
UI_ENC_SIGB: P19.1 U5.82 | length 1917.7
  Top Layer w6: U5.82@1216.24,457.54 1216.46,457.76 1280.92,457.76 1288.43,450.25 v1(1317.58,450.25) ; v1(2853,215) 2853,44.2 v1(2855.68,41.52)
  Bottom Layer w6: v1(1317.58,450.25) 1334.54,433.29 1601.39,433.29 1774.64,260.03 1923.21,260.03 1943.25,240 2180.13,240 2189.13,231 2204.87,231 2211.81,237.94 2747.31,237.94 2762.25,223 2845,223 v1(2853,215)
USB_N: P5.2 U5.20 | length 478.7
  Top Layer w6: P5.2@179.75,651.11 213.22,651.11 220.01,644.32 230.4,644.32 239.72,653.63 v1(240.1,653.63) ; U5.20@404.48,595.22 434.34,595.22 439.67,589.89 v1(442.78,589.89)
  Bottom Layer w6: v1(240.1,653.63) 239.72,653.63 230.4,644.32 205.49,644.32 189.73,628.56 189.73,589.83 200.27,579.29 304.06,579.29 323.9,599.13 437.34,599.13 442.78,593.69 v1(442.78,589.89)
USB_P: P5.3 U5.19 | length 445.8
  Top Layer w6: P5.3@179.75,625.52 213.22,625.52 220.01,632.32 230.4,632.32 239.06,623.66 v1(240.66,623.66) ; U5.19@403.06,613.62 432.92,613.62 441.85,622.54 v1(443.06,622.54)
  Bottom Layer w6: v1(240.66,623.66) 239.06,623.66 230.4,632.32 210.46,632.32 201.73,623.59 201.73,594.8 205.25,591.29 299.09,591.29 318.93,611.13 437.34,611.13 444.06,617.84 443.06,618.84 v1(443.06,622.54)
VBAT: C39.2 C44.2 C46.1 P20.1 P30.1 U2.4 U2.9 U2.16 U7.1 U7.3 U8.6 | length 3552.6
  Top Layer w8: v1(2980.3,949.54) 2980.4,949.65 U2.16@3007.28,949.65 ; U2.4@3093.89,922.09 3094.11,921.86 3117.42,921.86 v1(3117.64,921.64) ; U2.9@3093.89,1036.26 3093.89,1034.87 3094.74,1034.02 3112.73,1034.02 v1(3112.5,1033.8)
  Top Layer w10: U8.6@1718.43,886.81 1719.22,886.02 1769.17,886.02 1820.64,834.56 1980.3,834.56 2035,889.26 v1(2035,918.58)
  Top Layer w12: P30.1@2719.85,1029.28 2724.24,1024.89 v1(2791.25,1024.89) ; v1(3246.43,961.18) 3275.91,961.18 C46.1@3286.62,971.88 ; C46.1@3292.09,955.34 C46.1@3292.09,966.42 ; v1(3296.29,906.46) 3296.29,962.22 C46.1@3292.09,966.42 ; C46.1@3305.01,990.28 C46.1@3292.09,977.35 ; C44.2@3319.56,104 3319.73,103.83 3319.73,73.32 3353.39,73.32 v1(3354.07,74) ; U7.3@3359.81,175.11 U7.3@3362.44,172.48 ; U7.3@3361.73,177.72 U7.3@3364.89,174.56 ; C46.1@3286.62,971.88 C46.1@3292.09,966.42 ; C46.1@3286.62,971.88 3286.62,1029.92 3292.09,1035.39 C46.1@3292.09,977.35 ; C46.1@3286.62,971.88 C46.1@3292.09,977.35 ; C46.1@3292.09,966.42 C46.1@3292.09,977.35
  Power w10: v1(2035,918.58) 2059.62,893.96 2660.32,893.96 v1(2791.25,1024.89)
  Power w12: v1(2791.25,1024.89) 2843.55,1024.89 2915.77,1097.11 3213.63,1097.11 3296.29,1014.46 v1(3296.29,906.46) 3365.57,837.17 3365.57,86.74 3298.97,20.14 3113.37,20.14 3094.6,38.91 v1(3092.54,38.91)
  Bottom Layer w12: v1(3092.54,38.91) 3092.64,39 P20.1@3092.64,42.16
VUSB: P5.1 P14.1 U5.22 | length 4207.9
  Top Layer w6: P5.1@181.62,677.48 183.91,679.78 v1(183.91,706.35) v1@185.82,706.35 ; U5.22@385.53,555.97 v1(441.73,555.97)
  Power w10: v1(183.91,706.35) 117.21,639.65 117.21,481.93 80.11,444.82 79.39,102.63 79.39,99.91 162.2,17.11 2993.74,17.11 3015.27,38.63 v1(3015.27,40.14)
  Bottom Layer w6: v1(183.91,706.35) 179.9,702.34 177.22,702.34 146,671.12 146,577 190.8,532.2 215.61,532.2 238.82,509 394.76,509 v1(441.73,555.97)
XTAL: C11.1 U4.31 Y2.3 | length 130.3
  Top Layer w6: U4.31@2309.54,537 2327.85,537 2351.35,513.5 2351.35,504.8 Y2.3@2383.49,472.67 ; Y2.3@2408.39,473.91 C11.1@2408.39,498.49
XTAL0: C19.1 U5.73 Y1.1 | length 192.4
  Top Layer w6: U5.73@1225.13,283.63 1228.21,280.55 1292.02,280.55 1300.31,288.84 1357.94,288.84 C19.1@1364.16,295.06 ; C19.1@1360.8,279.26 1360.8,246.8 Y1.1@1370.47,237.13
pads on no net: ANT1.2 P5.4 P5.6 P7.0 SW1.5 U1.9 U2.8 U2.11 U3.11 U3.12 U4.4 U4.5 U4.6 U4.7 U4.11 U4.12 U4.16 U4.17 U4.18 U4.19 U4.21 U4.22 U4.23 U4.24 U4.25 U4.29 U4.37 U4.38 U4.39 U4.40 U4.41 U4.42 U4.43 U4.45 U4.48 U5.9 U5.11 U5.12 U5.13 U5.14 U5.15 U5.21 U5.23 U5.24 U5.25 U5.26 U5.27 U5.28 U5.29 U5.30 U5.35 U5.36 U5.37 U5.39 U5.40 U5.41 U5.46 U5.48 U5.49 U5.51 U5.52 U5.54 U5.55 U5.61 U5.83 U5.84 U5.88 U5.91 U5.95 U5.96 U5.117 U5.118 U5.124 U5.125 U5.126 U7.4 U8.0 U8.7 U8.13 U8.17 U8.21 U8.22 U8.23 U8.24 U8.25 U9.5 U11.15

## Polygon pours and split planes (outlines as drawn)
GND on Top Layer "GND_L01_P004" (solid, remove dead copper, pour order 4): -0.33,0.53 -0.33,1296.1 3481.69,1296.1 3481.69,0.53
VBAT on Top Layer "Top Layer-VBAT" (solid, pour order 0): 3248.8,197.72 3248.8,116.41 3286.22,116.41 3286.22,96.22 3380,96.22 3380,197.72
3v3 on Power "Power-3v3" (solid, remove dead copper, pour order 10): -0.33,-0.25 -0.33,1306.66 3372.33,1306.66 3372.33,-0.25
VBAT on Power "Power-VBAT" (solid, pour order 2): 2966.32,1065.88 2966.32,883.88 3258.73,883.88 3258.73,954.88 3149.17,1064.44
GND on Power "GND_L03_P008" (solid, pour order 8): 2083,431.6 2195.1,431.6 2260.6,497.1 2260.6,761.6 2169.2,761.6 2169.2,629 2083,542.8
GND on Ground "Ground-GND" (solid, remove dead copper, pour order 6): -0.33,-0.25 -0.33,1287.34 3476.06,1287.34 3476.06,-0.25
GND on Bottom Layer "Bottom Layer-No Net" (solid, remove dead copper, pour order 16): -0.33,-0.25 -0.33,1322.09 0.92,1323.34 3522.1,1323.34 3522.1,981.28 3398.38,981.28 3396.55,308 3522.1,308 3522.1,1.01 3520.84,-0.25

## Keep-outs
Power:
  lines w1: 2083,330.29 2188.79,330.29 ; 2083,330.29 2083,431.61 2195.11,431.61 2267.1,503.6 2267.1,701.9 2391.2,701.9 2391.2,500.69 2299.01,408.5 2267,408.5 2188.79,330.29 ; 2083,330.29 2188.79,330.29 ; 2083,330.29 2083,543 2169.17,629.17 2169.17,762.11 2129.36,762.11 2129.36,655.61 2012,538.25 2012,293.5 2261.9,293.5 2352.92,384.52 2352.92,408.6 2267.1,408.6 2188.79,330.29

## Other copper
Top Layer:
  pour cut-out: 2540,410 2815,295 2920,535 2645,650
  text "DC2019 / Rev 1" at 104.37,825 h20 r90
Ground:
  pour cut-out: 2540,410 2815,295 2920,535 2645,650
  region: 1105.79,189.57
  region: 1106.15,190.28
Power:
  pour cut-out: 2540,410 2815,295 2920,535 2645,650
Bottom Layer:
  pour cut-out: 2540,410 2815,295 2920,535 2645,650

## Silkscreen, mask and mechanical layers (free items; w line width, h text height)
Mechanical 1:
  lines w0.5: 2790.29,731.04 2790.29,791.04 ; 2890.54,840.85 2924,840.85 ; 2890.54,840.85 2890.54,850.69 ; 2890.54,840.85 2924,840.85 ; 2890.54,840.85 2890.54,850.69 ; 2890.54,850.69 2924,850.69 ; 2890.54,850.69 2924,850.69 ; 2924,840.85 2924,850.69 ; 2924,840.85 2924,850.69 ; 2988.96,840.85 3022.43,840.85 ; 2988.96,840.85 2988.96,850.69 ; 2988.96,840.85 3022.43,840.85 ; 2988.96,840.85 2988.96,850.69 ; 2988.96,850.69 3022.43,850.69 ; 2988.96,850.69 3022.43,850.69 ; 3022.43,840.85 3022.43,850.69 ; 3022.43,840.85 3022.43,850.69 ; 3087.39,840.85 3120.85,840.85 ; 3087.39,840.85 3087.39,850.69 ; 3087.39,840.85 3120.85,840.85 ; 3087.39,840.85 3087.39,850.69 ; 3087.39,850.69 3120.85,850.69 ; 3087.39,850.69 3120.85,850.69 ; 3120.85,840.85 3120.85,850.69 ; 3120.85,840.85 3120.85,850.69 ; 2890.45,840.85 2890.45,850.69 2923.91,850.69 2923.91,840.85 2890.45,840.85 ; 2988.88,840.85 2988.88,850.69 3022.34,850.69 3022.34,840.85 2988.88,840.85 ; 3087.3,840.85 3087.3,850.69 3120.77,850.69 3120.77,840.85 3087.3,840.85
  lines w10: 1335.13,388.93 1479.61,388.93 1592.96,192.08 1671.69,192.08 1671.69,1058.22 1592.96,1058.22 1479.61,861.37 1335.13,861.37 1335.13,388.93
Mechanical 3:
  lines w0.5: 829.92,420.79 ccw(c829.92,450.79) 829.92,480.79 ; 2828.52,690.45 2828.52,775.1 ; 2923.99,803.64 2923.99,813.49 ; 2923.99,840.85 2923.99,850.69 ; 3022.42,803.64 3022.42,813.49 ; 3022.42,840.85 3022.42,850.69 ; 3120.84,803.64 3120.84,813.49 ; 3120.84,840.85 3120.84,850.69 ; 3232.06,690.45 3232.06,775.1 ; -0.08,281.35 0.01,281.35 ; -0.08,281.35 -0.08,968.63 ; -0.08,281.35 94.25,-0.01 ; -0.08,281.35 0.01,281.35 ; -0.08,281.35 94.25,-0.01 ; -0.08,281.35 -0.08,968.63 ; -0.08,968.63 0.01,968.63 ; -0.08,968.63 94.25,1249.99 ; -0.08,968.63 0.01,968.63 ; -0.08,968.63 94.25,1249.99 ; 0.01,281.35 94.33,-0.01 ; 0.01,281.35 0.01,968.63 ; 0.01,281.35 0.01,968.63 ; 0.01,281.35 94.33,-0.01 ; 0.01,968.63 94.33,1249.99 ; 0.01,968.63 94.33,1249.99 ; 94.25,-0.01 94.33,-0.01 ; 94.25,-0.01 94.33,-0.01 ; 94.25,1249.99 94.33,1249.99 ; 94.25,1249.99 94.33,1249.99 ; 94.33,-0.01 3419.69,-0.01 ; 94.33,-0.01 3419.69,-0.01 ; 94.33,1249.99 3419.69,1249.99 ; 94.33,1249.99 3419.69,1249.99 ; 2403.33,956.81 ccw(c2433.33,956.8) 2433.33,926.8 ; 2403.33,956.81 ccw(c2433.33,956.8) 2433.33,926.8 ; 2403.33,956.8 2403.33,1106.81 ; 2403.33,956.8 2403.33,1106.81 ; 2403.33,1106.81 cw(c2433.33,1106.81) 2433.33,1136.81 ; 2403.33,1106.81 cw(c2433.33,1106.81) 2433.33,1136.81 ; 2433.33,926.8 ccw(c2433.33,956.8) 2463.33,956.8 ; 2433.33,926.8 ccw(c2433.33,956.8) 2463.33,956.8 ; 2433.33,1136.81 cw(c2433.33,1106.81) 2463.33,1106.81 ; 2433.33,1136.81 cw(c2433.33,1106.81) 2463.33,1106.81 ; 2463.24,956.8 cw(c2433.24,956.8) 2433.29,926.81 ccw(c2433.24,956.8) 2463.24,956.8 ; 2463.24,956.8 2463.33,956.8 ; 2463.24,956.8 2463.24,1106.81 ; 2463.24,956.8 2463.33,956.8 ; 2463.24,956.8 2463.24,1106.81 ; 2463.24,1106.81 ccw(c2433.24,1106.81) 2433.29,1136.8 cw(c2433.24,1106.81) 2463.24,1106.81 ; 2463.24,1106.81 2463.33,1106.81 ; 2463.24,1106.81 2463.33,1106.81 ; 2463.33,956.8 2463.33,1106.81 ; 2463.33,956.8 2463.33,1106.81 ; 3419.69,-0.01 3419.69,1249.99 ; 3419.69,-0.01 3419.69,1249.99 ; 770.01,420.79 cw(c770.01,450.79) 770.01,480.79 830.01,480.79 cw(c830.01,450.79) 830.01,420.79 770.01,420.79 ; 2779.39,690.45 2779.39,775.1 2828.6,775.1 2828.6,690.45 2779.39,690.45 ; 2890.61,803.64 2924.08,803.64 2924.08,813.49 2890.61,813.49 2890.61,803.64 ; 2890.61,840.85 2890.61,850.69 2924.08,850.69 2924.08,840.85 2890.61,840.85 ; 2989.04,803.64 3022.5,803.64 3022.5,813.49 2989.04,813.49 2989.04,803.64 ; 2989.04,840.85 2989.04,850.69 3022.5,850.69 3022.5,840.85 2989.04,840.85 ; 3087.46,803.64 3120.93,803.64 3120.93,813.49 3087.46,813.49 3087.46,803.64 ; 3087.46,840.85 3120.93,840.85 3120.93,850.69 3087.46,850.69 3087.46,840.85 ; 3182.93,690.45 3232.15,690.45 3232.15,775.1 3182.93,775.1 3182.93,690.45